# KiCad board master-circuit.kicad_pcb (continued)
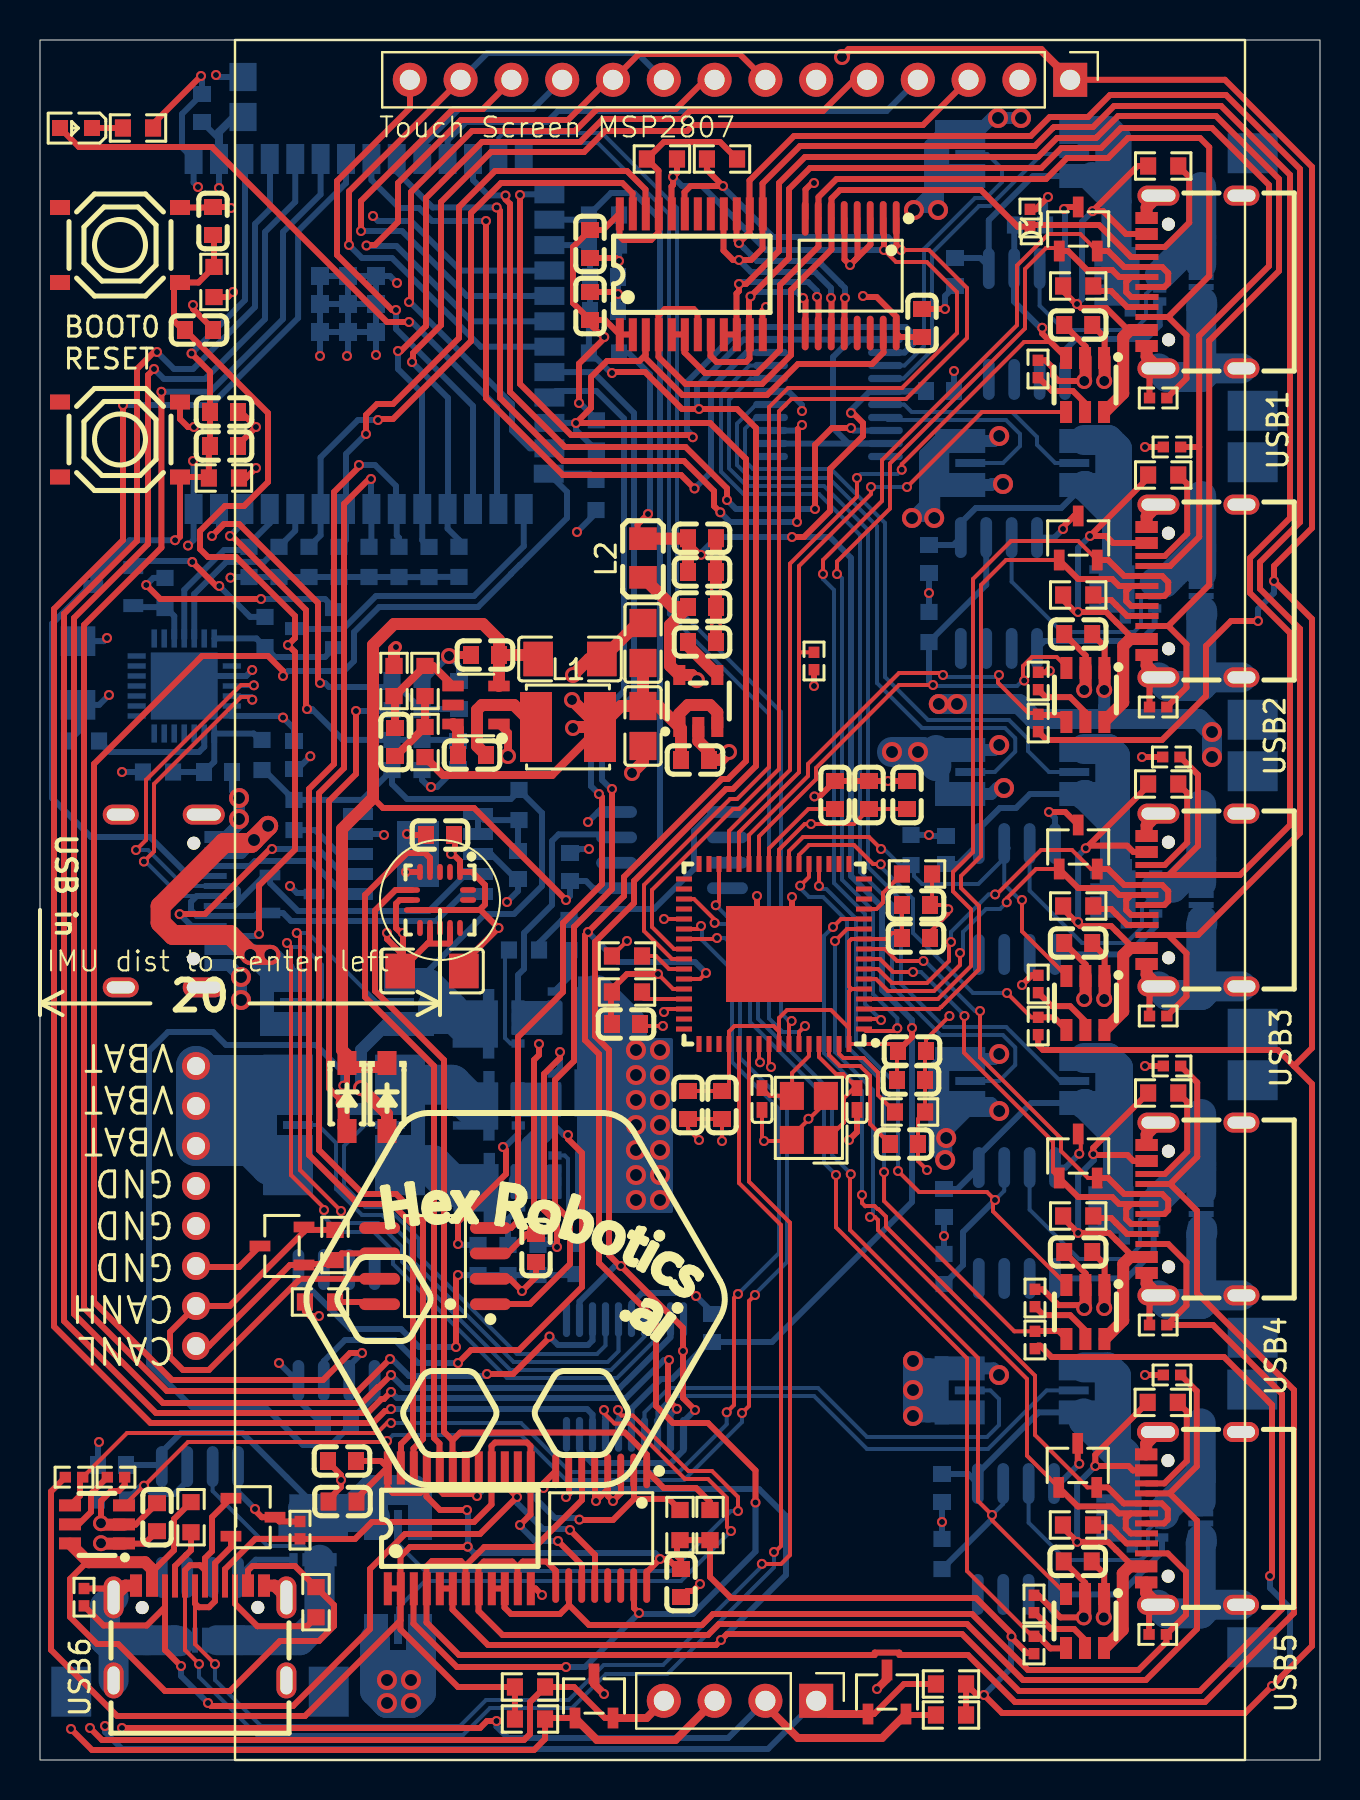
[diagram p0: board, top side]
## Library data of the parts (continued)
R13 R28 R46 R59 R65 R71 R76 R85-R89 = -: Datasheet: https://item.szlcsc.com/datasheet/0603WAF5602T5E/23933.html; Description: Type:Thick Film Resistor Resistance:56kΩ Tolerance:±1% Tolerance:±1% Power(Watts):100mW Voltage-Supply(Max):75V Temperature Coefficient:±100ppm/°C Temperature Coefficient:±100ppm/°C Operating Temperature:-55°C~+155°C Operating Temperature:-55°C~+155°C; Manufacturer Part: 0603WAF5602T5E; Manufacturer: UNI-ROYAL(厚声); Supplier Part: C23206; Supplier: LCSC; LCSC Part Name: 56kΩ ±1% 100mW 厚膜电阻; LCSC Part #: C23206
R16 = -: Datasheet: https://item.szlcsc.com/datasheet/0603WAF1200T5E/23514.html; Description: Type:Thick Film Resistor Resistance:120Ω Tolerance:±1% Tolerance:±1% Power(Watts):100mW Voltage-Supply(Max):75V Temperature Coefficient:±100ppm/°C Temperature Coefficient:±100ppm/°C Operating Temperature:-55°C~+155°C Operating Temperature:-55°C~+155°C; Manufacturer Part: 0603WAF1200T5E; Manufacturer: UNI-ROYAL(厚声); Supplier Part: C22787; Supplier: LCSC; LCSC Part Name: 120Ω ±1% 100mW 厚膜电阻; LCSC Part #: C22787
R23 R39 = -: Datasheet: https://item.szlcsc.com/datasheet/0603WAF1501T5E/23570.html; Description: Type:Thick Film Resistor Resistance:1.5kΩ Tolerance:±1% Tolerance:±1% Power(Watts):100mW Voltage-Supply(Max):75V Temperature Coefficient:±100ppm/°C Temperature Coefficient:±100ppm/°C Operating Temperature:-55°C~+155°C Operating Temperature:-55°C~+155°C; Manufacturer Part: 0603WAF1501T5E; Manufacturer: UNI-ROYAL(厚声); Supplier Part: C22843; Supplier: LCSC; LCSC Part Name: 1.5kΩ ±1% 100mW 厚膜电阻; LCSC Part #: C22843
R35 R55 R61 R66 R67 R70 = -: Datasheet: https://atta.szlcsc.com/upload/public/pdf/source/20200306/C422600_1E6D84923E4A46A82E41ADD87F860B5C.pdf; Description: Type:Thick Film Resistors Resistance:20kΩ Tolerance:±1% Tolerance:±1% Power(Watts): Overload Voltage (Max): Temperature Coefficient:±100ppm/°C Temperature Coefficient:±100ppm/°C Operating Temperature Range:-55°C~+155°C Operating Temperature Range:-55°C~+155°C; Manufacturer Part: 0402WGF2002TCE; Manufacturer: UNI-ROYAL(厚声); Supplier Part: C25765; Supplier: LCSC; LCSC Part Name: 20kΩ ±1% 62.5mW 厚膜电阻; LCSC Part #: C25765
R40 = -: Datasheet: https://item.szlcsc.com/datasheet/0603WAF2002T5E/4591.html; Description: Type:Thick Film Resistor Resistance:20kΩ Tolerance:±1% Tolerance:±1% Power(Watts):100mW Voltage-Supply(Max):75V Temperature Coefficient:±100ppm/°C Temperature Coefficient:±100ppm/°C Operating Temperature:-55°C~+155°C Operating Temperature:-55°C~+155°C; Manufacturer Part: 0603WAF2002T5E; Manufacturer: UNI-ROYAL(厚声); Supplier Part: C4184; Supplier: LCSC; LCSC Part Name: 20kΩ ±1% 100mW 厚膜电阻; LCSC Part #: C4184
R41 = -: Datasheet: https://item.szlcsc.com/datasheet/0603WAF4702T5E/26562.html; Description: Type:Thick Film Resistor Resistance:47kΩ Tolerance:±1% Tolerance:±1% Power(Watts):100mW Voltage-Supply(Max):75V Temperature Coefficient:±100ppm/°C Temperature Coefficient:±100ppm/°C Operating Temperature:-55°C~+155°C Operating Temperature:-55°C~+155°C; Manufacturer Part: 0603WAF4702T5E; Manufacturer: UNI-ROYAL(厚声); Supplier Part: C25819; Supplier: LCSC; LCSC Part Name: 47kΩ ±1% 100mW 厚膜电阻; LCSC Part #: C25819
R45 R48 R56 = -: Datasheet: https://item.szlcsc.com/datasheet/0603WAF1003T5E/26546.html; Description: Type:Thick Film Resistor Resistance:100kΩ Tolerance:±1% Tolerance:±1% Power(Watts):100mW Voltage-Supply(Max):75V Temperature Coefficient:±100ppm/°C Temperature Coefficient:±100ppm/°C Operating Temperature:-55°C~+155°C Operating Temperature:-55°C~+155°C; Manufacturer Part: 0603WAF1003T5E; Manufacturer: UNI-ROYAL(厚声); Supplier Part: C25803; Supplier: LCSC; LCSC Part Name: 100kΩ ±1% 100mW 厚膜电阻; LCSC Part #: C25803
R50 = -: Datasheet: https://item.szlcsc.com/datasheet/0603WAF1202T5E/23517.html; Description: Type:Thick Film Resistor Resistance:12kΩ Tolerance:±1% Tolerance:±1% Power(Watts):100mW Voltage-Supply(Max):75V Temperature Coefficient:±100ppm/°C Temperature Coefficient:±100ppm/°C Operating Temperature:-55°C~+155°C Operating Temperature:-55°C~+155°C; Manufacturer Part: 0603WAF1202T5E; Manufacturer: UNI-ROYAL(厚声); Supplier Part: C22790; Supplier: LCSC; LCSC Part Name: 12kΩ ±1% 100mW 厚膜电阻; LCSC Part #: C22790
R62 = -: Datasheet: https://item.szlcsc.com/datasheet/0603WAF1302T5E/23524.html; Description: Type:Thick Film Resistor Resistance:13kΩ Tolerance:±1% Tolerance:±1% Power(Watts):100mW Voltage-Supply(Max):75V Temperature Coefficient:±100ppm/°C Temperature Coefficient:±100ppm/°C Operating Temperature:-55°C~+155°C Operating Temperature:-55°C~+155°C; Manufacturer Part: 0603WAF1302T5E; Manufacturer: UNI-ROYAL(厚声); Supplier Part: C22797; Supplier: LCSC; LCSC Part Name: 13kΩ ±1% 100mW 厚膜电阻; LCSC Part #: C22797
R68 = -: Datasheet: https://item.szlcsc.com/datasheet/0603WAF1001T5E/21904.html; Manufacturer Part: 0603WAF1001T5E; Manufacturer: UNI-ROYAL(厚声); Supplier Part: C21190; Supplier: LCSC; LCSC Part Name: 1kΩ ±1% 100mW 厚膜电阻; LCSC Part #: C21190
R77 R81 R90 R92-R94 = -: Datasheet: https://item.szlcsc.com/datasheet/0603WAF470KT5E/23891.html; Description: Type:Thick Film Resistor Resistance:4.7Ω Tolerance:±1% Tolerance:±1% Power(Watts):100mW Voltage-Supply(Max):75V Temperature Coefficient:±400ppm/°C Temperature Coefficient:±400ppm/°C Operating Temperature:-55°C~+155°C Operating Temperature:-55°C~+155°C; Manufacturer Part: 0603WAF470KT5E; Manufacturer: UNI-ROYAL(厚声); Supplier Part: C23164; Supplier: LCSC; LCSC Part Name: 4.7Ω ±1% 100mW 厚膜电阻; LCSC Part #: C23164
R79 R80 R82-R84 R91 = -: Datasheet: https://item.szlcsc.com/datasheet/0402WGF1003TCE/26484.html; Description: Type:Thick Film Resistor Resistance:100kΩ Tolerance:±1% Tolerance:±1% Power(Watts):62.5mW Voltage-Supply(Max):50V Temperature Coefficient:±100ppm/°C Temperature Coefficient:±100ppm/°C Operating Temperature:-55°C~+155°C Operating Temperature:-55°C~+155°C; Manufacturer Part: 0402WGF1003TCE; Manufacturer: UNI-ROYAL(厚声); Supplier Part: C25741; Supplier: LCSC; LCSC Part Name: 100kΩ ±1% 62.5mW 厚膜电阻; LCSC Part #: C25741
R96-R101 R103-R108 = -: Datasheet: https://item.szlcsc.com/datasheet/0402WGF1004TCE/26826.html; Description: Type:Thick Film Resistor Resistance:1MΩ Tolerance:±1% Tolerance:±1% Power(Watts):62.5mW Voltage-Supply(Max):50V Temperature Coefficient:±100ppm/°C Temperature Coefficient:±100ppm/°C Operating Temperature:-55°C~+155°C Operating Temperature:-55°C~+155°C; Manufacturer Part: 0402WGF1004TCE; Manufacturer: UNI-ROYAL(厚声); Supplier Part: C26083; Supplier: LCSC; LCSC Part Name: 1MΩ ±1% 62.5mW 厚膜电阻; LCSC Part #: C26083
SW1 SW2 = -: Datasheet: https://item.szlcsc.com/datasheet/TS-1187A-B-A-B/299976.html; Description: Circuit:SPST Actuator Style:Round Button Operating Force:1.6N Mounting Type:Surface Mount,Vertical Length:5.1mm Width:5.1mm Switch Height:1.5mm with Bracket:Without Bracket Contact Current:50mA Voltage Rating:12V Actuator/Cap Color:Gold With Lamp:No Life:; Manufacturer Part: TS-1187A-B-A-B; Manufacturer: XKB Connection(中国星坤); Supplier Part: C318884; Supplier: LCSC; LCSC Part Name: 5.1*5.1*1.5mm 立贴 轻触开关; LCSC Part #: C318884
U1 = -: Datasheet: https://item.szlcsc.com/datasheet/ESP32-S3-WROOM-1-N16R8/3198300.html; Manufacturer Part: ESP32-S3-WROOM-1-N16R8; Manufacturer: ESPRESSIF(乐鑫); Supplier Part: C2913202; Supplier: LCSC; LCSC Part Name: 通用型Wi-Fi+低功耗蓝牙MCU模组; LCSC Part #: C2913202
U3 = -: Datasheet: https://atta.szlcsc.com/upload/public/pdf/source/20220506/F97078DAC27613D3658649741CC410BC.pdf; Description: Output Type:Fixed Maximum Input Voltage:5.5V Output Voltage:3.3V Output Voltage:3.3V Output Current:300mA Dropout Voltage:400mV@(300mA) standby current:60uA Feature:Automotive Standard Certification；Low ESR；Thermal Protection(TSD)；Overcurrent Protection(O; Manufacturer Part: LDK130M33R; Manufacturer: ST(意法半导体); Supplier Part: C2969807; Supplier: LCSC; LCSC Part Name: 300 mA低静态电流超低噪声LDO; LCSC Part #: C2969807
U4 = -: Datasheet: https://www.ti.com/cn/lit/gpn/tps54202; Description: Function:Step-down type Output Type:Adjustable Voltage - Supply:4.5V~28V Voltage - Supply:4.5V~28V Output Voltage:- Output Voltage:- Output Current:2A Frequency - Switching:500kHz Frequency - Switching:500kHz Operating Temperature:-40°C~+125°C@(TJ) Operatin; Manufacturer Part: TPS54202DDCR; Manufacturer: TI(德州仪器); Supplier Part: C191884; Supplier: LCSC; LCSC Part Name: 4.5V至28V输入、2A输出、低EMI同步降压转换器; LCSC Part #: C191884
U7 U23 U26 U28 U30 U32 = -: Datasheet: https://www.ti.com/cn/lit/gpn/tps2553; Description: Type:High Side Switch Number of Channels:1 Control Input Logic:Active High Maximum Continuous Current:1.5A Voltage - Supply:2.5V~6.5V Voltage - Supply:2.5V~6.5V RDS(on):85mΩ Operating Temperature	-:-40°C~+150°C Operating Temperature	-:-40°C~+150°C Features:Ov; Manufacturer Part: TPS2553DBVR; Manufacturer: TI(德州仪器); Supplier Part: C55266; Supplier: LCSC; LCSC Part Name: 精密可调限流电源分配开关; LCSC Part #: C55266
U9 U13 = -: Datasheet: https://www.ti.com/cn/lit/gpn/tca9548a; Manufacturer Part: TCA9548APWR; Manufacturer: TI(德州仪器); Supplier Part: C130026; Supplier: LCSC; LCSC Part Name: 支持复位的低压8通道I²C开关; LCSC Part #: C130026
U10 = -: Datasheet: https://item.szlcsc.com/datasheet/CP2102N-A02-GQFN28R/1049893.html; Description: Applications Function:USB to UART USB Protocol:USB 2.0 Voltage - Supply:3V~3.6V Voltage - Supply:3V~3.6V Operating Temperature:-40°C~+85°C@(Ta) Operating Temperature:-40°C~+85°C@(Ta) Current - Supply:9.5mA Supply Current (Iq):1.3uA; Manufacturer Part: CP2102N-A02-GQFN28R; Manufacturer: SKYWORKS/SILICON LABS(芯科); Supplier Part: C964632; Supplier: LCSC; LCSC Part Name: CP2102N-A02-GQFN28R; LCSC Part #: C964632
U11 U16 = -: Datasheet: https://www.ti.com/cn/lit/gpn/ina2181; Description: Number of Channels:Quad Supply Current:690uA Operating Temperature:-40°C~+125°C Operating Temperature:-40°C~+125°C; Manufacturer Part: INA4181A1IPWR; Manufacturer: TI(德州仪器); Supplier Part: C2058366; Supplier: LCSC; LCSC Part Name: INA4181A1IPWR; LCSC Part #: C2058366
U14 U15 = -: Datasheet: https://www.nxp.com/docs/en/data-sheet/PCA9557.pdf; Description: Interface:I2C；SMBus Number of I/O:8 Interrupt Output:Uninterrupted Output Output Type: Supply Voltage:2.3V~5.5V Supply Voltage:2.3V~5.5V Output Source current:- Output Sink Current:- Clock Frequency:400kHz Operating Temperature:-40°C~+85°C Operating Tempera; Manufacturer Part: PCA9557PW,118; Manufacturer: NXP(恩智浦); Supplier Part: C141380; Supplier: LCSC; LCSC Part Name: 带复位的8位I2C总线和SMBus I/O端口; LCSC Part #: C141380
U17 = -: Datasheet: https://www.ti.com/cn/lit/gpn/sn65hvd230; Description: Type:CANtransceiver Data Rate:1Mbps Voltage - Supply:- Voltage - Supply:- Current - Supply:- Operating Temperature:-40°C~+85°C Operating Temperature:-40°C~+85°C; Manufacturer Part: SN65HVD230DR; Manufacturer: TI(德州仪器); Supplier Part: C12084; Supplier: LCSC; LCSC Part Name: 3.3-V CAN 收发器; LCSC Part #: C12084
U18 = -: Datasheet: https://item.szlcsc.com/datasheet/LIS3DHTR/15808.html; Description: Voltage - Supply:1.71V~3.6V Voltage - Supply:1.71V~3.6V Operating Temperature:-40°C~+85°C Operating Temperature:-40°C~+85°C; Manufacturer Part: LIS3DHTR; Manufacturer: ST(意法半导体); Supplier Part: C15134; Supplier: LCSC; LCSC Part Name: LIS3DHTR; LCSC Part #: C15134
U19 = -: Datasheet: https://item.szlcsc.com/datasheet/S8B-PH-K-S(LF)(SN)/169263.html; Description: Pins Structure:1x8P Pitch:2mm Mounting Type:Right Angle Reference Series:PH Number of Pins:8P Number of Rows:1 Number of PINs Per Row:8 Row Spacing:- Current Rating:2A Contact Material:Brass Contact Plating:Tin Operating Temperature:-25°C~+85°C Operating Te; Manufacturer Part: S8B-PH-K-S(LF)(SN); Manufacturer: JST; Supplier Part: C157915; Supplier: LCSC; LCSC Part Name: 1x8P 间距:2mm 弯插 系列:PH; LCSC Part #: C157915
U24 = -: Datasheet: https://item.szlcsc.com/datasheet/USB2517-JZX/1612354.html; Manufacturer Part: USB2517-JZX; Manufacturer: MICROCHIP(美国微芯); Supplier Part: C1521556; Supplier: LCSC; LCSC Part Name: USB 2.0 Hi-Speed 7-Port Hub Controller; LCSC Part #: C1521556
U41 U43-U49 = -: Datasheet: https://item.szlcsc.com/datasheet/MX5014S/6170959.html; Manufacturer Part: MX5014S; Manufacturer: Wuxi Maxinmicro(无锡明芯微); Supplier Part: C5359091; Supplier: LCSC; LCSC Part Name: 高边驱动; LCSC Part #: C5359091
U42 = -: Datasheet: https://item.szlcsc.com/datasheet/CH224K/1060460.html; Manufacturer Part: CH224K; Manufacturer: WCH(南京沁恒); Supplier Part: C970725; Supplier: LCSC; LCSC Part Name: USBPD等多快充协议受电芯片CH224; LCSC Part #: C970725
USB0-USB6 = -: Datasheet: https://item.szlcsc.com/datasheet/TYPE-C16PIN/372551.html; Description: Connector Type:Type-C Protocol Standard:USB 3.1 Gender:Female Mounting Type:Surface Mount, Right Angle Number of Contacts:16P Number of Ports:1 Current Rating-Power:3A Voltage Rating:30V Connect-Disconnect Life:10,000 Cycles Detection color:Black Operatin; Manufacturer Part: TYPE-C16PIN; Manufacturer: SHOU HAN(首韩); Supplier Part: C393939; Supplier: LCSC; LCSC Part Name: Type-C 母 卧贴; LCSC Part #: C393939
X2 = -: Datasheet: https://item.szlcsc.com/datasheet/X322524MSB4SI/16324.html; Description: Type:Crystal Oscillator Frequency:24MHz Normal temperature Frequency Tolerance:±10ppm Normal temperature Frequency Tolerance:±10ppm Load Capacitance:20pF Frequency Stability:±20ppm Frequency Stability:±20ppm Operating Temperature:-40°C~+85°C Operating Tempe; Manufacturer Part: X322524MSB4SI; Manufacturer: YXC(扬兴晶振); Supplier Part: C15643; Supplier: LCSC; LCSC Part Name: YSX321SL 24MHZ 4P 3225 20PF ±10PPM -40~85°C (±20PPM); LCSC Part #: C15643

## Footprints (pads in the part's own frame, mm; a bottom-side part is the same pattern mirrored in y, then rotated)
C0402
  rect 0.79x0.54 smd: 1(-0.545,0) 2(0.545,0)
C0603
  rect 0.8x0.9 smd: 1(-0.7,0) 2(0.7,0)
C0805
  rect 1.41x1.35 smd: 1(-1,0) 2(1,0)
C1206
  rect 1.485x1.728 smd: 1(-1.593,0) 2(1.593,0)
CONN-TH_S8B-PH-K-S-LF-SN
  round 1.4 hole 0.9: 1(7,0) 2(5,0) 3(3,0) 4(1,0) 5(-1,0) 6(-3,0) 7(-5,0) 8(-7,0)
CRYSTAL-SMD_4P-L3.2-W2.5-BL
  rect 1.4x1.2 smd: 1(-1.1,-0.85) 2(1.1,-0.85) 3(1.1,0.85) 4(-1.1,0.85)
ESSOP-10_L4.9-W3.9-P1.0-LS6.0-TL-EP
  rect 0.6x1.5 smd: 1(-2,-3) 2(-1,-3) 3(0,-3) 4(1,-3) 5(2,-3) 6(2,3) 7(1,3) 8(0,3) 9(-1,3) 10(-2,3)
  rect 3.3x2.1 smd: 11(0,0)
FPC-SMD_20P-P0.50_XUNPU_FPC-05F-20PH20
  rect 0.3x1.25 smd: 1(-4.75,1.288) 2(-4.25,1.288) 3(-3.75,1.288) 4(-3.25,1.288) 5(-2.75,1.288) 6(-2.25,1.288) 7(-1.75,1.288) 8(-1.25,1.288) 9(-0.75,1.288) 10(-0.25,1.288) 11(0.25,1.288) 12(0.75,1.288) 13(1.25,1.288) 14(1.75,1.288) 15(2.25,1.288) 16(2.75,1.288) 17(3.25,1.288) 18(3.75,1.288) 19(4.25,1.288) 20(4.75,1.288)
  rect 2x2.5 smd: 21(6.44,-1.288) 22(-6.44,-1.288)
IND-SMD_L4.0-W4.0
  rect 1.6x3.5 smd: 1(-1.6,0) 2(1.6,0)
L0805
  rect 1.133x1.377 smd: 1(-0.966,0) 2(0.966,0)
LED0603-RD
  rect 0.8x0.8 smd: 1(-0.799,0) 2(0.799,0)
LGA-16_L3.0-W3.0-P0.50-TL
  oval 0.8x0.28 smd: 1(-1.4,1) 2(-1.4,0.5) 3(-1.4,0) 4(-1.4,-0.5) 5(-1.4,-1) 9(1.4,-1) 10(1.4,-0.5) 11(1.4,0) 12(1.4,0.5) 13(1.4,1)
  oval 0.28x0.8 smd: 6(-0.5,-1.4) 7(0,-1.4) 8(0.5,-1.4) 14(0.5,1.4) 15(0,1.4) 16(-0.5,1.4)
MSP2807 OLED with touchescreen and SD card
  rect 1.7x1.7 hole 1: 1(-41.01,16.51) 15(40.04,3.81)
  round 1.7 hole 1: 2(-41.01,13.97) 3(-41.01,11.43) 4(-41.01,8.89) 5(-41.01,6.35) 6(-41.01,3.81) 7(-41.01,1.27) 8(-41.01,-1.27) 9(-41.01,-3.81) 10(-41.01,-6.35) 11(-41.01,-8.89) 12(-41.01,-11.43) 13(-41.01,-13.97) 14(-41.01,-16.51) 16(40.04,1.27) 17(40.04,-1.27) 18(40.04,-3.81)
QFN-28_L5.0-W5.0-P0.50-TL-EP3.3
  rect 0.28x0.905 smd: 1(-1.5,-2.377) 2(-1,-2.377) 3(-0.5,-2.377) 4(0,-2.377) 5(0.5,-2.377) 6(1,-2.377) 7(1.5,-2.377) 15(1.5,2.377) 16(1,2.377) 17(0.5,2.377) 18(0,2.377) 19(-0.5,2.377) 20(-1,2.377) 21(-1.5,2.377)
  rect 0.905x0.28 smd: 8(2.377,-1.5) 9(2.377,-1) 10(2.377,-0.5) 11(2.377,0) 12(2.377,0.5) 13(2.377,1) 14(2.377,1.5) 22(-2.377,1.5) 23(-2.377,1) 24(-2.377,0.5) 25(-2.377,0) 26(-2.377,-0.5) 27(-2.377,-1) 28(-2.377,-1.5)
  rect 3.35x3.35 smd: 29(0,0)
QFN-64_L9.0-W9.0-P0.50-BL-EP4.8
  rect 0.8x0.25 smd: 1(4.5,-3.75) 2(4.5,-3.25) 3(4.5,-2.75) 4(4.5,-2.25) 5(4.5,-1.75) 6(4.5,-1.25) 7(4.5,-0.75) 8(4.5,-0.25) 9(4.5,0.25) 10(4.5,0.75) 11(4.5,1.25) 12(4.5,1.75) 13(4.5,2.25) 14(4.5,2.75) 15(4.5,3.25) 16(4.5,3.75) 33(-4.5,3.75) 34(-4.5,3.25) 35(-4.5,2.75) 36(-4.5,2.25) 37(-4.5,1.75) 38(-4.5,1.25) 39(-4.5,0.75) 40(-4.5,0.25) 41(-4.5,-0.25) 42(-4.5,-0.75) 43(-4.5,-1.25) 44(-4.5,-1.75) 45(-4.5,-2.25) 46(-4.5,-2.75) 47(-4.5,-3.25) 48(-4.5,-3.75)
  rect 0.25x0.8 smd: 17(3.75,4.5) 18(3.25,4.5) 19(2.75,4.5) 20(2.25,4.5) 21(1.75,4.5) 22(1.25,4.5) 23(0.75,4.5) 24(0.25,4.5) 25(-0.25,4.5) 26(-0.75,4.5) 27(-1.25,4.5) 28(-1.75,4.5) 29(-2.25,4.5) 30(-2.75,4.5) 31(-3.25,4.5) 32(-3.75,4.5) 49(-3.75,-4.5) 50(-3.25,-4.5) 51(-2.75,-4.5) 52(-2.25,-4.5) 53(-1.75,-4.5) 54(-1.25,-4.5) 55(-0.75,-4.5) 56(-0.25,-4.5) 57(0.25,-4.5) 58(0.75,-4.5) 59(1.25,-4.5) 60(1.75,-4.5) 61(2.25,-4.5) 62(2.75,-4.5) 63(3.25,-4.5) 64(3.75,-4.5)
  rect 4.8x4.8 smd: 65(0,0)
R0402
  rect 0.566x0.54 smd: 1(-0.433,0) 2(0.433,0)
R0603
  rect 0.806x0.864 smd: 1(-0.753,0) 2(0.753,0)
R2512 Shunt with Kelvin connections
  rect 0.7x3.4 smd: 1(-4,0) 2(4,0)
  rect 2.5x1.2 smd: 1(-3.1,-1.1) 1(-3.1,1.1) 2(3.1,-1.1) 2(3.1,1.1)
  rect 1.5x0.4 smd: 3(-2.6,0) 4(2.6,0)
R2725 Shunt with Kelvin connections
  rect 0.7x7 smd: 1(-3.7,0) 2(3.701,0)
  rect 2.486x3.011 smd: 1(-2.793,2.005) 2(2.795,2.005)
  rect 2.478x3.018 smd: 1(-2.789,-2.009) 2(2.79,-2.009)
  rect 1.5x0.4 smd: 3(-2.3,0) 4(2.3,0)
SOD-123_L2.7-W1.6-LS3.7-RD-1
  rect 1.2x0.95 smd: 1(-1.7,0) 2(1.7,0)
SOIC-8_L4.9-W3.9-P1.27-LS6.0-BL
  oval 2.045x0.588 smd: 1(-2.772,1.909) 2(-2.772,0.639) 3(-2.772,-0.631) 4(-2.772,-1.901) 5(2.772,-1.901) 6(2.772,-0.631) 7(2.772,0.639) 8(2.772,1.909)
SOT-23-3_L2.9-W1.3-P1.90-LS2.4-BR
  rect 1x0.65 smd: 1(-1,0.92) 2(-1,-0.98) 3(1,-0.03)
SOT-23-3_L3.0-W1.7-P0.95-LS2.9-BR
  rect 1.038x0.532 smd: 1(-1.101,0.95) 2(-1.101,-0.95) 3(1.101,0)
SOT-23-5_L3.0-W1.6-P0.95-LS2.8-BL
  rect 0.6x1 smd: 1(0.95,1.3) 2(0,1.3) 3(-0.95,1.3) 4(-0.95,-1.3) 5(0.95,-1.3)
SOT-23-6_L2.9-W1.6-P0.95-LS2.8-BL
  rect 0.532x1.072 smd: 1(0.95,1.149) 2(0,1.149) 3(-0.95,1.149) 4(-0.95,-1.149) 5(0,-1.149) 6(0.95,-1.149)
SOT-23-6_L2.9-W1.6-P0.95-LS2.8-BR
  rect 1.1x0.6 smd: 1(-1.35,0.92) 2(-1.35,-0.03) 3(-1.35,-0.98) 4(1.35,-0.98) 5(1.35,-0.03) 6(1.35,0.92)
SW-SMD_4P-L5.1-W5.1-P3.70-LS6.5-TL_H1.5
  rect 1x0.75 smd: 1(-3,1.875) 2(3,1.875) 3(-3,-1.875) 4(3,-1.875)
TSSOP-16_L5.0-W4.4-P0.65-LS6.4-BL
  oval 1.732x0.343 smd: 1(-2.881,2.26) 2(-2.881,1.61) 3(-2.881,0.96) 4(-2.881,0.31) 5(-2.881,-0.34) 6(-2.881,-0.99) 7(-2.881,-1.64) 8(-2.881,-2.29) 9(2.851,-2.29) 10(2.851,-1.64) 11(2.851,-0.99) 12(2.851,-0.34) 13(2.851,0.31) 14(2.851,0.96) 15(2.851,1.61) 16(2.851,2.26)
TSSOP-20_L6.5-W4.4-P0.65-LS6.4-BL
  oval 1.742x0.364 smd: 1(-2.871,2.925) 2(-2.871,2.275) 3(-2.871,1.625) 4(-2.871,0.975) 5(-2.871,0.325) 6(-2.871,-0.325) 7(-2.871,-0.975) 8(-2.871,-1.625) 9(-2.871,-2.275) 10(-2.871,-2.925) 11(2.871,-2.925) 12(2.871,-2.275) 13(2.871,-1.625) 14(2.871,-0.975) 15(2.871,-0.325) 16(2.871,0.325) 17(2.871,0.975) 18(2.871,1.625) 19(2.871,2.275) 20(2.871,2.925)
TSSOP-24_L7.8-W4.4-P0.65-LS6.4-BL
  rect 1.65x0.4 smd: 1(-3.037,3.56) 2(-3.037,2.91) 3(-3.037,2.26) 4(-3.037,1.61) 5(-3.037,0.96) 6(-3.037,0.31) 7(-3.037,-0.34) 8(-3.037,-0.99) 9(-3.037,-1.64) 10(-3.037,-2.29) 11(-3.037,-2.94) 12(-3.037,-3.59) 13(3.008,-3.59) 14(3.008,-2.94) 15(3.008,-2.29) 16(3.008,-1.64) 17(3.008,-0.99) 18(3.008,-0.34) 19(3.008,0.31) 20(3.008,0.96) 21(3.008,1.61) 22(3.008,2.26) 23(3.008,2.91) 24(3.008,3.56)
USB-C-SMD_TYPE-C16PIN
  round 0.65 hole 0.65 unplated: (-2.89,1.28) (2.89,1.29)
  oval 1x2.1 hole 0.6x1.7: 1(-4.32,1.788) 2(4.32,1.788)
  oval 1x1.8 hole 0.6x1.4: 3(-4.32,-2.362) 4(4.32,-2.362)
  rect 0.6x1.117 smd: A1B12(-3.2,2.379) A4B9(-2.4,2.379) B1A12(3.2,2.379) B4A9(2.4,2.379)
  rect 0.3x1.15 smd: A5(-1.25,2.362) A6(-0.25,2.362) A7(0.25,2.362) A8(1.25,2.362) B5(1.75,2.362) B6(0.75,2.362) B7(-0.75,2.362) B8(-1.75,2.362)
WDFN-5_L3.1-W3.1-P0.65-BL_1
  rect 0.42x0.66 smd: 1(-0.975,-0.735) 2(-0.325,-0.735) 3(0.325,-0.735) 4(0.975,-0.735)
  custom 3.48x2.265 smd: 5(0,0.735)
WIRELM-SMD_ESP32-S3-WROOM-1
  rect 1.5x0.9 smd: 1(-8.75,8.895) 2(-8.75,7.625) 3(-8.75,6.355) 4(-8.75,5.085) 5(-8.75,3.815) 6(-8.75,2.545) 7(-8.75,1.275) 8(-8.75,0.005) 9(-8.75,-1.265) 10(-8.75,-2.535) 11(-8.75,-3.805) 12(-8.75,-5.075) 13(-8.75,-6.345) 14(-8.75,-7.615) 27(8.75,-7.615) 28(8.75,-6.345) 29(8.75,-5.075) 30(8.75,-3.805) 31(8.75,-2.535) 32(8.75,-1.265) 33(8.75,0.005) 34(8.75,1.275) 35(8.75,2.545) 36(8.75,3.815) 37(8.75,5.085) 38(8.75,6.355) 39(8.75,7.625) 40(8.75,8.895)
  rect 0.9x1.5 smd: 15(-6.985,-8.895) 16(-5.715,-8.895) 17(-4.445,-8.895) 18(-3.175,-8.895) 19(-1.905,-8.895) 20(-0.635,-8.895) 21(0.635,-8.895) 22(1.905,-8.895) 23(3.175,-8.895) 24(4.445,-8.895) 25(5.715,-8.895) 26(6.985,-8.865)
  rect 0.9x0.9 smd: 41(-2.9,-0.225) 41(-2.9,1.175) 41(-2.9,2.575) 41(-1.5,-0.225) 41(-1.5,1.175) 41(-1.5,2.575) 41(-0.1,-0.225) 41(-0.1,1.175) 41(-0.1,2.575)

## Nets
3V3: C2.2 C3.2 C8.2 C16.2 C17.2 C30.2 C31.2 C32.2 C42.2 C43.2 C44.2 C45.2 C59.2 C60.2 C68.2 C84.2 C85.2 L2.1 R9.2 R14.2 R15.2 R17.2 R18.2 R24.2 R25.2 R26.2 R27.2 R29.2 R32.2 R33.2 R34.2 R37.2 R39.1 R42.1 R51.2 R53.2 R58.2 R60.2 R64.2 R79.1 R80.1 R82.1 R83.1 R84.1 R91.1 U1.2 U3.5 U9.1 U9.2 U9.21 U9.24 U10.6 U10.7 U13.1 U13.2 U13.21 U13.24 U14.16 U15.16 U17.3 U18.1 U18.8 U18.14 U24.24 U24.37 U24.44 U24.46 U35.1
3V3A: C12.2 C13.2 C38.2 C39.2 C61.2 C62.2 C66.2 C67.2 C70.2 C71.2 L2.2 R21.2 U11.5 U16.5 U24.5 U24.10 U24.52 U24.57 U24.64
5V: C15.2 C20.2 C23.2 C24.2 C26.2 C27.2 C28.2 C33.2 C40.2 L1.2 R10.2 U3.1 U3.3 U7.1 U23.1 U26.1 U28.1 U30.1 U32.1
/servo-usb-connector1/VBUSx: R28.1 R85.2 U23.6 USB2.A4B9 USB2.B4A9
/servo-usb-connector1/VCCx: FPC2.1 FPC2.2 FPC2.3 FPC2.4 FPC2.5 FPC2.6 FPC2.7 FPC2.8 FPC2.9 FPC2.10 Q12.1 Q12.2 Q12.3 U43.3
/servo-usb-connector1/VCCx-probe: C52.2 Q12.5 R2.1 U43.1
/servo-usb-connector2/VBUSx: R46.1 R86.2 U26.6 USB3.A4B9 USB3.B4A9
/servo-usb-connector2/VCCx: FPC3.1 FPC3.2 FPC3.3 FPC3.4 FPC3.5 FPC3.6 FPC3.7 FPC3.8 FPC3.9 FPC3.10 Q23.1 Q23.2 Q23.3 U44.3
/servo-usb-connector2/VCCx-probe: C53.2 Q23.5 R3.1 U44.1
/servo-usb-connector3/VBUSx: R59.1 R87.2 U28.6 USB4.A4B9 USB4.B4A9
/servo-usb-connector3/VCCx: FPC4.1 FPC4.2 FPC4.3 FPC4.4 FPC4.5 FPC4.6 FPC4.7 FPC4.8 FPC4.9 FPC4.10 Q24.1 Q24.2 Q24.3 U45.3
/servo-usb-connector3/VCCx-probe: C54.2 Q24.5 R4.1 U45.1
/servo-usb-connector4/VBUSx: R65.1 R88.2 U30.6 USB5.A4B9 USB5.B4A9
/servo-usb-connector4/VCCx: FPC5.1 FPC5.2 FPC5.3 FPC5.4 FPC5.5 FPC5.6 FPC5.7 FPC5.8 FPC5.9 FPC5.10 Q25.1 Q25.2 Q25.3 U48.3
/servo-usb-connector4/VCCx-probe: C57.2 Q25.5 R5.1 U48.1
/servo-usb-connector5/VBUSx: R71.1 R89.2 U32.6 USB6.A4B9 USB6.B4A9
/servo-usb-connector5/VCCx: FPC6.1 FPC6.2 FPC6.3 FPC6.4 FPC6.5 FPC6.6 FPC6.7 FPC6.8 FPC6.9 FPC6.10 Q26.1 Q26.2 Q26.3 U49.3
/servo-usb-connector5/VCCx-probe: C58.2 Q26.5 R6.1 U49.1
/servo-usb-connector/VBUSx: R13.1 R76.2 U7.6 USB1.A4B9 USB1.B4A9
/servo-usb-connector/VCCx: FPC1.1 FPC1.2 FPC1.3 FPC1.4 FPC1.5 FPC1.6 FPC1.7 FPC1.8 FPC1.9 FPC1.10 Q8.1 Q8.2 Q8.3 U41.3
/servo-usb-connector/VCCx-probe: C51.2 Q8.5 R1.1 U41.1
/VBATTERY_PINS: R8.1 U19.6 U19.7 U19.8
/VDD18PLL: C65.2 U24.62
GND: C1.1 C2.1 C3.1 C4.1 C5.1 C8.1 C9.1 C10.1 C11.1 C12.1 C13.1 C15.1 C16.1 C17.1 C18.2 C20.1 C21.1 C22.1 C23.1 C24.1 C25.1 C26.1 C27.1 C28.1 C29.1 C30.1 C31.1 C32.1 C33.1 C34.1 C35.1 C38.1 C39.1 C40.1 C42.1 C43.1 C44.1 C45.1 C51.1 C52.1 C53.1 C54.1 C55.1 C56.1 C57.1 C58.1 C59.1 C60.1 C61.1 C62.1 C63.1 C64.2 C65.1 C66.1 C67.1 C68.1 C69.1 C70.1 C71.1 C84.1 C85.1 D1.3 D2.3 D4.3 D5.3 D6.3 D7.3 D8.3 D9.3 D10.3 D11.3 FPC1.11 FPC1.12 FPC1.13 FPC1.14 FPC1.15 FPC1.16 FPC1.17 FPC1.18 FPC1.19 FPC1.20 FPC2.11 FPC2.12 FPC2.13 FPC2.14 FPC2.15 FPC2.16 FPC2.17 FPC2.18 FPC2.19 FPC2.20 FPC3.11 FPC3.12 FPC3.13 FPC3.14 FPC3.15 FPC3.16 FPC3.17 FPC3.18 FPC3.19 FPC3.20 FPC4.11 FPC4.12 FPC4.13 FPC4.14 FPC4.15 FPC4.16 FPC4.17 FPC4.18 FPC4.19 FPC4.20 FPC5.11 FPC5.12 FPC5.13 FPC5.14 FPC5.15 FPC5.16 FPC5.17 FPC5.18 FPC5.19 FPC5.20 FPC6.11 FPC6.12 FPC6.13 FPC6.14 FPC6.15 FPC6.16 FPC6.17 FPC6.18 FPC6.19 FPC6.20 R11.1 R12.1 R22.1 R23.2 R30.1 R31.1 R35.1 R38.1 R41.2 R47.1 R50.2 R52.1 R55.1 R61.1 R62.1 R66.1 R67.1 R70.1 R73.1 R74.1 R78.1 R95.1 R96.1 R97.1 R98.1 R99.1 R100.1 R101.1 R102.1 R103.1 R104.1 R105.1 R106.1 R107.1 R108.1 R109.1 SW1.3 SW2.3 U1.1 U1.40 U1.41 U3.2 U4.1 U7.2 U9.12 U10.3 U10.29 U11.16 U13.12 U14.3 U14.4 U14.5 U14.8 U15.3 U15.4 U15.5 U15.8 U16.16 U17.2 U18.5 U18.7 U18.10 U18.12 U19.3 U19.4 U19.5 U23.2 U24.55 U24.56 U24.65 U26.2 U28.2 U30.2 U32.2 U35.2 U41.4 U42.3 U42.9 U42.11 U43.4 U44.4 U45.4 U46.4 U47.4 U48.4 U49.4 USB0.A1B12 USB0.B1A12 USB1.1 USB1.2 USB1.3 USB1.4 USB1.A1B12 USB1.B1A12 USB2.1 USB2.2 USB2.3 USB2.4 USB2.A1B12 USB2.B1A12 USB3.1 USB3.2 USB3.3 USB3.4 USB3.A1B12 USB3.B1A12 USB4.1 USB4.2 USB4.3 USB4.4 USB4.A1B12 USB4.B1A12 USB5.1 USB5.2 USB5.3 USB5.4 USB5.A1B12 USB5.B1A12 USB6.1 USB6.2 USB6.3 USB6.4 USB6.A1B12 USB6.B1A12 X2.2 X2.4
VBATTERY: D12.2 Q18.5 Q21.5 R8.2 R48.2
VBUS: D14.2 Q14.5 R7.2 R40.1 R45.2 R68.1 R72.1
VBUS_CURRENT: U1.5 U16.19
VBUS_PINS: R7.1 USB0.A4B9 USB0.B4A9
VBUS_VOLTAGE: C10.2 R45.1 R47.2 U1.38
VCC: Q16.5 Q20.5 Q22.5 R1.2 R2.2 R3.2 R4.2 R5.2 R6.2
+Probe-1: R1.4 U11.3
+Probe-2: R2.4 U11.7
+Probe-3: R3.4 U11.15
+Probe-4: R4.4 U11.18
+Probe-5: R5.4 U16.4
+Probe-6: R6.4 U16.7
+Probe-7: R7.4 U16.17
+Probe-8: R8.4 U16.14
-Probe-1: R1.3 U11.4
-Probe-2: R2.3 U11.6
-Probe-3: R3.3 U11.14
-Probe-4: R4.3 U11.17
-Probe-5: R5.3 U16.3
-Probe-6: R6.3 U16.6
-Probe-7: R7.3 U16.18
-Probe-8: R8.3 U16.15
/Buck-Bootstrap-Capacitor: C7.1 U4.6
/Buck-Output-SW: C7.2 L1.1 U4.2
/Buck-Probe-Point: C6.2 R10.1 R56.2
/CAN-RS-SLOPE_CONTROL: R31.2 U17.8
/CFG_SEL1: R52.2 U24.42
/CFG_SEL2: R30.2 U24.13
/DTR-GATE: Q9.1 R43.1
/Gate1-vbattery: Q18.4 R90.2
/Gate1-vbus: Q14.4 R81.2
/Gate2-vbattery: Q20.4 R92.2
/Gate2-vbus: Q16.4 R77.2
/Gate3-vbattery: Q21.4 R93.2
/Gate4-vbattery: Q22.4 R94.2
/LDO-Bypass-Capacitor: C9.2 U3.4
/PD-VBUS-DETECT: R72.2 U42.8
/PD-VDD: C29.2 R68.2 U42.1 U42.2
/RBIAS: R50.1 U24.63
/RTS-GATE: Q10.1 R44.1
/servo-usb-connector1/CC1x: R28.2 USB2.A5
/servo-usb-connector1/CC2x: R85.1 USB2.B5
/servo-usb-connector1/ILIMx: R55.2 U23.5
/servo-usb-connector2/CC1x: R46.2 USB3.A5
/servo-usb-connector2/CC2x: R86.1 USB3.B5
/servo-usb-connector2/ILIMx: R61.2 U26.5
/servo-usb-connector3/CC1x: R59.2 USB4.A5
/servo-usb-connector3/CC2x: R87.1 USB4.B5
/servo-usb-connector3/ILIMx: R66.2 U28.5
/servo-usb-connector4/CC1x: R65.2 USB5.A5
/servo-usb-connector4/CC2x: R88.1 USB5.B5
/servo-usb-connector4/ILIMx: R67.2 U30.5
/servo-usb-connector5/CC1x: R71.2 USB6.A5
/servo-usb-connector5/CC2x: R89.1 USB6.B5
/servo-usb-connector5/ILIMx: R70.2 U32.5
/servo-usb-connector/CC1x: R13.2 USB1.A5
/servo-usb-connector/CC2x: R76.1 USB1.B5
/servo-usb-connector/ILIMx: R35.2 U7.5
/Source-vbattery: Q18.1 Q18.2 Q18.3 Q20.1 Q20.2 Q20.3 Q21.1 Q21.2 Q21.3 Q22.1 Q22.2 Q22.3 U47.3
/Source-vbus: Q14.1 Q14.2 Q14.3 Q16.1 Q16.2 Q16.3 U46.3
/XTAL1: C64.1 U24.61 X2.1
/XTAL2: C69.2 U24.60 X2.3
BATTERY_CURRENT: U1.6 U16.13
BATTERY_VOLTAGE: C11.2 R38.2 R48.1 U1.39
BOOT0: C4.2 C25.2 Q10.3 R42.2 SW1.1 U1.27 USB0.B8
Buck-FB: C6.1 R56.1 R62.2 U4.4
CAN_RX: U1.23 U17.4
CAN_TX: U1.22 U17.1
CANH: D7.2 R16.2 U17.7 U19.2
CANL: D7.1 R16.1 U17.6 U19.1
CC1: U42.7 USB0.A5
CC2: U42.6 USB0.B5
CONNECT_BATTERY: R11.2 U1.26 U47.2
CONNECT_VBUS: R12.2 U1.16 U46.2
DTR: Q10.2 R43.2 U10.28
ENABLE-ESP32: C1.2 C5.2 Q9.3 R37.1 SW2.1 U1.3 USB0.A8
FSPICLK/SPI2_CLK: D4.2 R14.1 U1.20 U35.7 U35.10 U35.18
FSPICS0/MEMORY_CS: D6.1 R9.1 U1.18 U35.15
FSPID/SPI2_MOSI: D6.2 R34.1 U1.19 U35.6 U35.12 U35.16
FSPIQ/SPI2_MISO: D4.1 R15.1 U1.21 U35.9 U35.13 U35.17
GUEST_USB_D+: D8.2 U10.4 U42.4 USB0.A6 USB0.B6
GUEST_USB_D-: D8.1 U10.5 U42.5 USB0.A7 USB0.B7
I2C1_INTERNAL_SCL: R53.1 U9.19 U14.1 U24.40
I2C1_INTERNAL_SDA: R58.1 U9.20 U14.2 U24.41
I2C1_SCL: R24.1 U1.34 U9.22
I2C1_SDA: R25.1 U1.35 U9.23
I2C2_INTERNAL_SCL: R60.1 U13.19 U15.1 U18.6
I2C2_INTERNAL_SDA: R64.1 U13.20 U15.2 U18.4
I2C2_SCL: R18.1 U1.33 U13.22
I2C2_SDA: R17.1 U1.32 U13.23
INTERNAL_GUEST_USB_D+: U1.14 U24.59
INTERNAL_GUEST_USB_D-: U1.13 U24.58
nOCS1: R79.2 U7.4 U24.28
nOCS2: R80.2 U23.4 U24.27
nOCS3: R82.2 U24.22 U26.4
nOCS4: R83.2 U24.21 U28.4
nOCS5: R84.2 U24.35 U30.4
nOCS6: R91.2 U24.38 U32.4
NRESET_ALL_MULTIPLEXERS: R29.1 U1.24 U9.3 U13.3 U14.15 U15.15 U24.43
PRTPWR1: R73.2 U7.3 U24.29 U41.2
PRTPWR2: R74.2 U23.3 U24.26 U43.2
PRTPWR3: R78.2 U24.23 U26.3 U44.2
PRTPWR4: R95.2 U24.20 U28.3 U45.2
PRTPWR5: R102.2 U24.30 U30.3 U48.2
PRTPWR6: R109.2 U24.39 U32.3 U49.2
REFERENCE: C34.2 C35.2 R21.1 R22.2 U1.17 U11.1 U11.9 U11.12 U11.20 U16.1 U16.9 U16.12 U16.20
RTS: Q9.2 R44.2 U10.24
RX: R32.1 U1.36 U10.26
SCREEN_CS: R27.1 U1.30 U35.3
SCREEN_DC: R26.1 U1.31 U35.5
SCREEN_LED: U1.25 U35.8
SCREEN_RESET: U1.11 U35.4
SERVO1_BOOT0: R103.2 U9.4 U9.7 U14.6 USB1.A8
SERVO1_CURRENT: U1.15 U11.2
SERVO1_NRST: R96.2 U9.5 U9.6 U14.7 USB1.B8
SERVO2_BOOT0: R104.2 U9.8 U9.11 U14.9 USB2.A8
SERVO2_CURRENT: U1.12 U11.8
SERVO2_NRST: R97.2 U9.9 U9.10 U14.10 USB2.B8
SERVO3_BOOT0: R105.2 U9.13 U9.16 U14.11 USB3.A8
SERVO3_CURRENT: U1.9 U11.13
SERVO3_NRST: R98.2 U9.14 U9.15 U14.12 USB3.B8
SERVO4_BOOT0: R106.2 U13.4 U13.7 U15.6 USB4.A8
SERVO4_CURRENT: U1.8 U11.19
SERVO4_NRST: R99.2 U13.5 U13.6 U15.7 USB4.B8
SERVO5_BOOT0: R107.2 U13.8 U13.11 U15.9 USB5.A8
SERVO5_CURRENT: U1.4 U16.2
SERVO5_NRST: R100.2 U13.9 U13.10 U15.10 USB5.B8
SERVO6_BOOT0: R108.2 U13.13 U13.16 U15.11 USB6.A8
SERVO6_CURRENT: U1.7 U16.8
SERVO6_NRST: R101.2 U13.14 U13.15 U15.12 USB6.B8
STATUS_LED: LED1.2 U1.28
TOUCH_CS: U1.10 U35.11
TOUCH_INT: U1.29 U35.14
TX: R33.1 U1.37 U10.25
USBDN1_D+: D1.2 U24.2 USB1.A6 USB1.B6
USBDN1_D-: D1.1 U24.1 USB1.A7 USB1.B7
USBDN2_D+: D2.2 U24.4 USB2.A6 USB2.B6
USBDN2_D-: D2.1 U24.3 USB2.A7 USB2.B7
USBDN3_D+: D5.2 U24.7 USB3.A6 USB3.B6
